# Altium PCB SI942C.PcbDoc (part 3 of 3)
Units mm, origin at the board's own origin, x right, y up, seen from the top; angles counter-clockwise.
Board outline 281.94 x 89 mm, 4 copper layers (Top, MidLayer1, MidLayer2, Bottom), stack 1.65 mm thick; 305 components, 164 nets, 851 pads, 594 vias.
Unrouted connection lines stored in the file: 4.
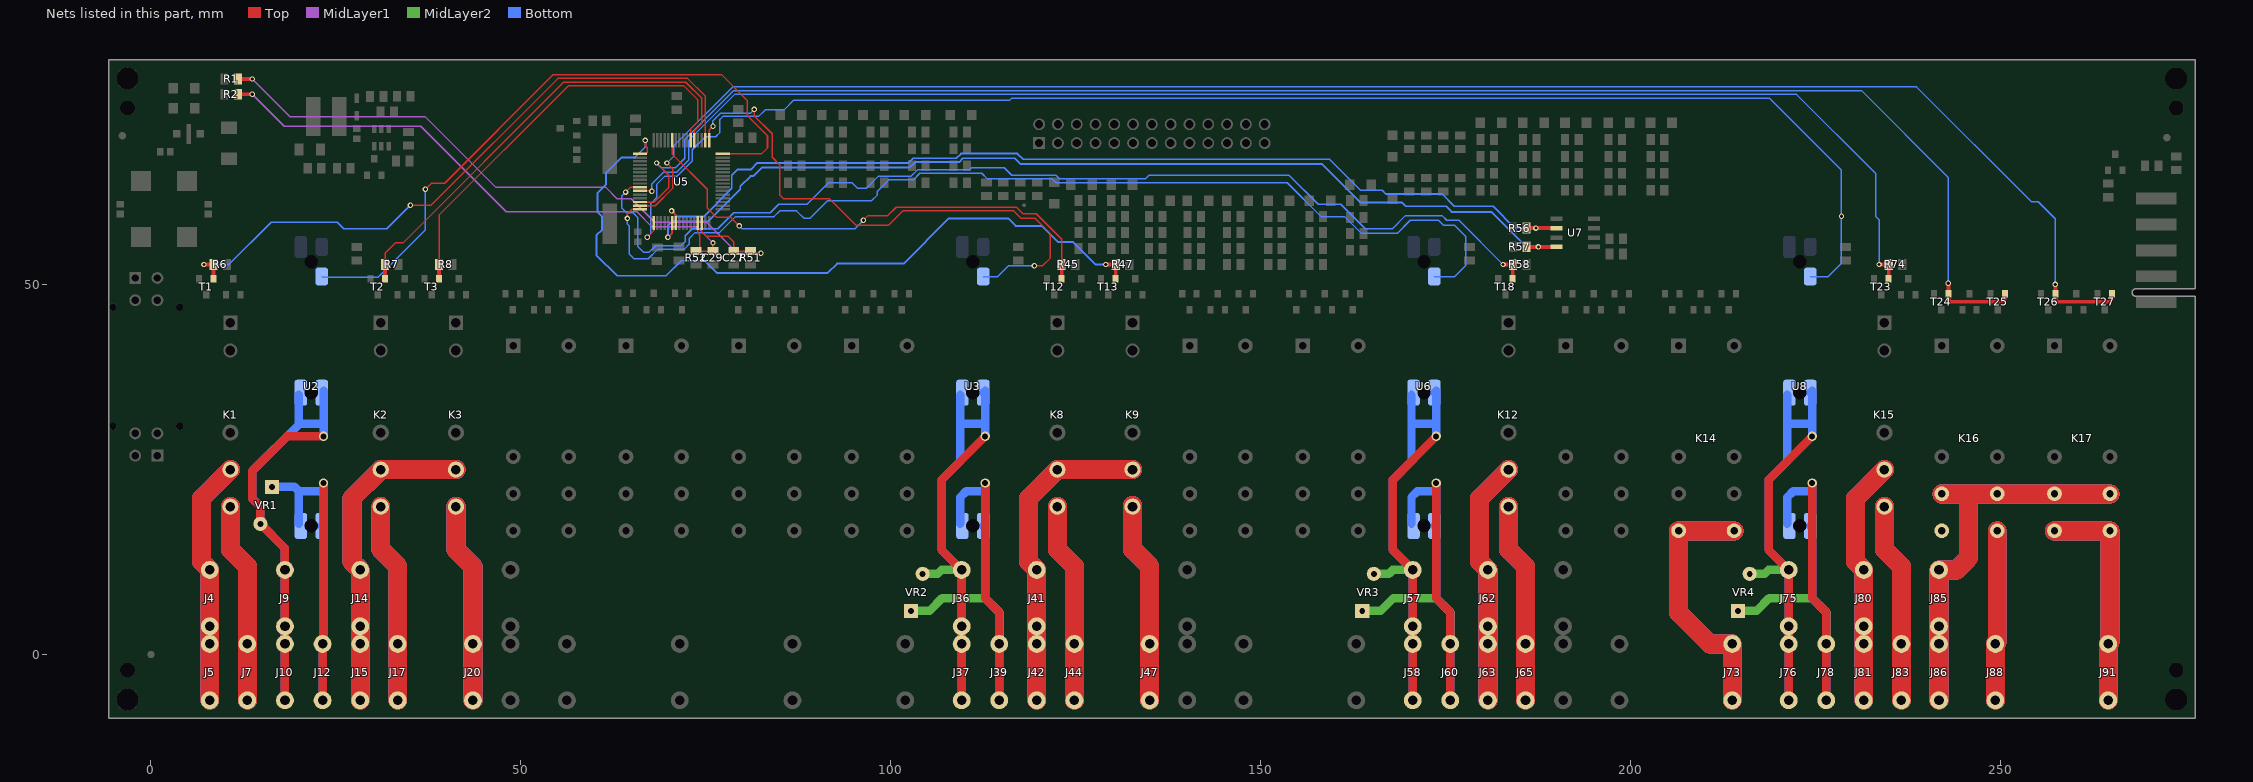
[diagram p5: the nets of this part, all layers, seen from the top]

## Via types
v1: diameter 0.737, hole 0.432, Top to Bottom, 581 vias
v2: diameter 1.27, hole 0.8, Top to Bottom, 10 vias
v3: diameter 1.524, hole 0.8, Top to Bottom, 3 vias

## Nets (pads, with @x,y where several pads share a name; then routed paths per layer and width w, separated by ;. In a path a pad name is that pad's centre, name@x,y a point inside that pad or via, vN(x,y) a via of type N, cw(c..) or ccw(c..) an arc to the next point about the centre after c; other vN are vias at no path point) (continued)
RB7NO: J73.1 J73.2 K14.14 K14.24 | length 140.5
  Top w2.54: J73.1@213.685,-6.19 J73.2@213.685,1.43 210.676,1.43 206.435,5.671 206.435,16.68 K14.24@213.935,16.68
  MidLayer1 w2.54: J73.1@213.685,-6.19 J73.2@213.685,1.43 210.676,1.43 206.435,5.671 206.435,16.68 K14.24@213.935,16.68
  MidLayer2 w2.54: J73.1@213.685,-6.19 J73.2@213.685,1.43 210.676,1.43 206.435,5.671 206.435,16.68 K14.24@213.935,16.68
  Bottom w2.54: J73.1@213.685,-6.19 J73.2@213.685,1.43 210.676,1.43 206.435,5.671 206.435,16.68 K14.24@213.935,16.68
RB8_UC: T24.1 T25.1 U5.46 | length 219.4
  Top w0.203: U5.46@66.065,61.148 68.006,61.148 69.977,63.119 69.977,64.77 v1(68.326,66.421)
  Top w0.508: v1(242.887,50.165) 242.91,50.143 T24.1@242.91,48.77 242.91,47.965 243.205,47.67 250.235,47.67 250.53,47.965 T25.1@250.53,48.77
  Bottom w0.203: v1(68.326,66.421) 68.961,65.786 70.866,65.786 72.136,67.056 72.136,69.596 78.74,76.2 231.14,76.2 242.887,64.453 v1(242.887,50.165)
RB8CO: J85.1 J85.2 J86.1 J86.2 K16.11 K16.21 K17.11 K17.21 | length 214.2
  Top w2.54: J86.1@241.625,-6.19 J86.2@241.625,1.43 J85.1@241.625,3.81 J85.2@241.625,11.43 243.999,11.43 245.586,13.018 245.586,21.59 ; K16.11@241.995,21.68 K17.21@264.735,21.68
  MidLayer1 w2.54: J86.1@241.625,-6.19 J86.2@241.625,1.43 J85.1@241.625,3.81 J85.2@241.625,11.43 243.999,11.43 245.586,13.018 245.586,21.59 ; K16.11@241.995,21.68 K17.21@264.735,21.68
  MidLayer2 w2.54: J86.1@241.625,-6.19 J86.2@241.625,1.43 J85.1@241.625,3.81 J85.2@241.625,11.43 243.999,11.43 245.586,13.018 245.586,21.59 ; K16.11@241.995,21.68 K17.21@264.735,21.68
  Bottom w2.54: J86.1@241.625,-6.19 J86.2@241.625,1.43 J85.1@241.625,3.81 J85.2@241.625,11.43 243.999,11.43 245.586,13.018 245.586,21.59 ; K16.11@241.995,21.68 K17.21@264.735,21.68
RB8NO: J88.1 J88.2 K16.14 K16.24 | length 91.9
  Top w2.54: J88.1@249.245,-6.19 J88.2@249.245,1.43 249.495,1.68 K16.24@249.495,16.68
  MidLayer1 w2.54: J88.1@249.245,-6.19 J88.2@249.245,1.43 249.495,1.68 K16.24@249.495,16.68
  MidLayer2 w2.54: J88.1@249.245,-6.19 J88.2@249.245,1.43 249.495,1.68 K16.24@249.495,16.68
  Bottom w2.54: J88.1@249.245,-6.19 J88.2@249.245,1.43 249.495,1.68 K16.24@249.495,16.68
RB9_UC: T26.1 T27.1 U5.47 | length 228.8
  Top w0.203: U5.47@66.065,60.648 68.141,60.648 70.485,62.992 70.485,65.659 v1(69.723,66.421)
  Top w0.508: v1(257.334,50.006) 257.356,49.984 T26.1@257.356,48.77 257.356,47.965 257.651,47.67 264.681,47.67 264.976,47.965 T27.1@264.976,48.77
  Bottom w0.203: v1(69.723,66.421) 70.612,67.31 70.612,68.707 78.613,76.708 238.603,76.708 254.127,61.184 255.046,61.184 257.334,58.896 v1(257.334,50.006)
RB9NO: J91.1 J91.2 K17.14 K17.24 | length 121.9
  Top w2.54: K17.14@257.235,16.68 264.735,16.68 264.735,1.68 J91.2@264.485,1.43 J91.1@264.485,-6.19
  MidLayer1 w2.54: K17.14@257.235,16.68 264.735,16.68 264.735,1.68 J91.2@264.485,1.43 J91.1@264.485,-6.19
  MidLayer2 w2.54: K17.14@257.235,16.68 264.735,16.68 264.735,1.68 J91.2@264.485,1.43 J91.1@264.485,-6.19
  Bottom w2.54: K17.14@257.235,16.68 264.735,16.68 264.735,1.68 J91.2@264.485,1.43 J91.1@264.485,-6.19
RBSENS1_UC: R56.1 U5.55 U7.2 | length 131.7
  Top w0.254: v1(70.358,59.944) 70.915,59.387 U5.55@70.915,58.298
  Top w0.508: R56.1@185.858,57.626 v1(187.147,57.626) U7.2@189.865,57.626
  Bottom w0.254: v1(70.358,59.944) 71.12,59.182 74.676,59.182 78.486,62.992 78.486,64.77 79.248,65.532 81.026,65.532 81.915,66.421 102.362,66.421 102.997,67.056 108.839,67.056 109.474,67.691 117.094,67.691 117.856,66.929 159.258,66.929 163.449,62.738 166.37,62.738 166.878,62.23 174.498,62.23 176.149,60.579 181.356,60.579 184.309,57.626 v1(187.147,57.626)
RBSENS2_UC: R57.1 U5.54 U7.4 | length 134.3
  Top w0.254: v1(69.85,56.388) 70.415,56.953 U5.54@70.415,58.298
  Top w0.508: R57.1@185.858,55.086 185.874,55.07 U7.4@189.928,55.07
  Bottom w0.254: v1(69.85,56.388) 69.85,57.912 70.485,58.547 75.311,58.547 79.629,62.865 79.629,63.246 81.026,64.643 81.407,64.643 82.55,65.786 102.489,65.786 103.251,66.548 109.22,66.548 109.728,67.056 116.713,67.056 117.475,66.294 158.188,66.294 163.395,61.087 169.037,61.087 169.545,60.579 175.006,60.579 175.768,59.817 181.102,59.817 185.833,55.086 v1(187.484,55.086)
RM0_UC: R6.2 T1.1 U5.18 | length 89.1
  Top w0.203: v1(35.052,60.706) 37.846,60.706 54.991,77.851 72.517,77.851 74.915,75.453 U5.18@74.915,69.498
  Top w0.508: v1(7.144,52.705) R6.2@8.452,52.705 T1.1@8.452,50.804
  Bottom w0.254: v1(7.144,52.705) 10.541,52.705 16.256,58.42 25.146,58.42 26.035,57.531 31.877,57.531 v1(35.052,60.706)
RM0CO: J4.1 J4.2 J5.1 J5.2 K1.11 | length 133
  Top w2.54: J5.1@7.945,-6.19 J5.2@7.945,1.43 J4.1@7.945,3.81 J4.2@7.945,11.43 6.826,12.549 6.826,21.081 K1.11@10.725,24.98
  MidLayer1 w2.54: J5.1@7.945,-6.19 J5.2@7.945,1.43 J4.1@7.945,3.81 J4.2@7.945,11.43 6.826,12.549 6.826,21.081 K1.11@10.725,24.98
  MidLayer2 w2.54: J5.1@7.945,-6.19 J5.2@7.945,1.43 J4.1@7.945,3.81 J4.2@7.945,11.43 6.826,12.549 6.826,21.081 K1.11@10.725,24.98
  Bottom w2.54: J5.1@7.945,-6.19 J5.2@7.945,1.43 J4.1@7.945,3.81 J4.2@7.945,11.43 6.826,12.549 6.826,21.081 K1.11@10.725,24.98
RM0NO: J7.1 J7.2 K1.14 | length 108.5
  Top w2.54: K1.14@10.725,19.98 10.725,14.199 13.025,11.899 J7.2@13.025,1.43 J7.1@13.025,-6.19
  MidLayer1 w2.54: K1.14@10.725,19.98 10.725,14.199 13.025,11.899 J7.2@13.025,1.43 J7.1@13.025,-6.19
  MidLayer2 w2.54: K1.14@10.725,19.98 10.725,14.199 13.025,11.899 J7.2@13.025,1.43 J7.1@13.025,-6.19
  Bottom w2.54: K1.14@10.725,19.98 10.725,14.199 13.025,11.899 J7.2@13.025,1.43 J7.1@13.025,-6.19
RM1_UC: R7.2 T2.1 U5.21 | length 62.8
  Top w0.203: R7.2@31.629,52.705 31.629,54.235 33.02,55.626 34.036,55.626 55.753,77.343 72.263,77.343 74.422,75.184 74.422,71.755 73.415,70.748 U5.21@73.415,69.498
  Top w0.508: T2.1@31.629,50.804 R7.2@31.629,52.705
RM1CO: J14.1 J14.2 J15.1 J15.2 K2.11 K3.11 | length 173.6
  Top w2.54: J15.1@28.265,-6.19 J15.2@28.265,1.43 J14.1@28.265,3.81 J14.2@28.265,11.43 27.146,12.549 27.146,21.081 K2.11@31.045,24.98 K3.11@41.205,24.98
  MidLayer1 w2.54: J15.1@28.265,-6.19 J15.2@28.265,1.43 J14.1@28.265,3.81 J14.2@28.265,11.43 27.146,12.549 27.146,21.081 K2.11@31.045,24.98 K3.11@41.205,24.98
  MidLayer2 w2.54: J15.1@28.265,-6.19 J15.2@28.265,1.43 J14.1@28.265,3.81 J14.2@28.265,11.43 27.146,12.549 27.146,21.081 K2.11@31.045,24.98 K3.11@41.205,24.98
  Bottom w2.54: J15.1@28.265,-6.19 J15.2@28.265,1.43 J14.1@28.265,3.81 J14.2@28.265,11.43 27.146,12.549 27.146,21.081 K2.11@31.045,24.98 K3.11@41.205,24.98
RM1NO: J17.1 J17.2 K2.14 | length 108.5
  Top w2.54: K2.14@31.045,19.98 31.045,14.199 33.345,11.899 J17.2@33.345,1.43 J17.1@33.345,-6.19
  MidLayer1 w2.54: K2.14@31.045,19.98 31.045,14.199 33.345,11.899 J17.2@33.345,1.43 J17.1@33.345,-6.19
  MidLayer2 w2.54: K2.14@31.045,19.98 31.045,14.199 33.345,11.899 J17.2@33.345,1.43 J17.1@33.345,-6.19
  Bottom w2.54: K2.14@31.045,19.98 31.045,14.199 33.345,11.899 J17.2@33.345,1.43 J17.1@33.345,-6.19
RM2_UC: R8.2 T3.1 U5.22 | length 57.4
  Top w0.203: R8.2@38.932,52.705 38.932,59.379 56.388,76.835 72.009,76.835 73.914,74.93 73.914,72.009 72.915,71.01 U5.22@72.915,69.498
  Top w0.508: T3.1@38.932,50.804 R8.2@38.932,52.705
RM2NO: J20.1 J20.2 K3.14 | length 108.5
  Top w2.54: K3.14@41.205,19.98 41.205,14.199 43.505,11.899 J20.2@43.505,1.43 J20.1@43.505,-6.19
  MidLayer1 w2.54: K3.14@41.205,19.98 41.205,14.199 43.505,11.899 J20.2@43.505,1.43 J20.1@43.505,-6.19
  MidLayer2 w2.54: K3.14@41.205,19.98 41.205,14.199 43.505,11.899 J20.2@43.505,1.43 J20.1@43.505,-6.19
  Bottom w2.54: K3.14@41.205,19.98 41.205,14.199 43.505,11.899 J20.2@43.505,1.43 J20.1@43.505,-6.19
RM3_UC: R45.2 T12.1 U5.27 | length 68.5
  Top w0.203: U5.27@70.415,69.498 70.415,67.634 75.184,62.865 75.184,60.325 76.454,59.055 78.359,59.055 v1(79.502,57.912) ; v1(96.266,58.674) 96.901,59.309 99.568,59.309 100.711,60.452 116.967,60.452 117.856,59.563 119.634,59.563 123.069,56.128 R45.2@123.069,52.705
  Top w0.508: T12.1@123.069,50.804 R45.2@123.069,52.705
  Bottom w0.203: v1(79.502,57.912) 79.883,57.531 95.123,57.531 v1(96.266,58.674)
RM3CO: J41.1 J41.2 J42.1 J42.2 K8.11 K9.11 | length 173.6
  Top w2.54: J42.1@119.705,-6.19 J42.2@119.705,1.43 J41.1@119.705,3.81 J41.2@119.705,11.43 118.586,12.549 118.586,21.081 K8.11@122.485,24.98 K9.11@132.645,24.98
  MidLayer1 w2.54: J42.1@119.705,-6.19 J42.2@119.705,1.43 J41.1@119.705,3.81 J41.2@119.705,11.43 118.586,12.549 118.586,21.081 K8.11@122.485,24.98 K9.11@132.645,24.98
  MidLayer2 w2.54: J42.1@119.705,-6.19 J42.2@119.705,1.43 J41.1@119.705,3.81 J41.2@119.705,11.43 118.586,12.549 118.586,21.081 K8.11@122.485,24.98 K9.11@132.645,24.98
  Bottom w2.54: J42.1@119.705,-6.19 J42.2@119.705,1.43 J41.1@119.705,3.81 J41.2@119.705,11.43 118.586,12.549 118.586,21.081 K8.11@122.485,24.98 K9.11@132.645,24.98
RM3NO: J44.1 J44.2 K8.14 | length 108.5
  Top w2.54: K8.14@122.485,19.98 122.485,14.199 124.785,11.899 J44.2@124.785,1.43 J44.1@124.785,-6.19
  MidLayer1 w2.54: K8.14@122.485,19.98 122.485,14.199 124.785,11.899 J44.2@124.785,1.43 J44.1@124.785,-6.19
  MidLayer2 w2.54: K8.14@122.485,19.98 122.485,14.199 124.785,11.899 J44.2@124.785,1.43 J44.1@124.785,-6.19
  Bottom w2.54: K8.14@122.485,19.98 122.485,14.199 124.785,11.899 J44.2@124.785,1.43 J44.1@124.785,-6.19
RM4_UC: R47.2 T13.1 U5.33 | length 103
  Top w0.254: U5.33@66.065,67.648 66.886,67.648 67.056,67.818 67.056,68.453 66.802,68.707 v1(66.802,69.469)
  Top w0.508: v1(129.032,52.705) R47.2@130.372,52.705 T13.1@130.372,50.804
  Bottom w0.254: v1(66.802,69.469) 66.802,68.58 65.405,67.183 63.627,67.183 61.468,65.024 61.468,63.5 60.325,62.357 60.325,59.817 60.96,59.182 60.96,57.404 60.198,56.642 60.198,53.975 62.992,51.181 69.596,51.181 71.628,53.213 74.803,53.213 76.454,51.562 91.44,51.562 92.71,52.832 101.727,52.832 107.823,58.928 115.824,58.928 116.84,57.912 120.396,57.912 122.555,55.753 124.587,55.753 127.635,52.705 v1(129.032,52.705)
RM4NO: J47.1 J47.2 K9.14 | length 109.1
  Top w2.54: K9.14@132.645,20.13 132.645,14.199 134.945,11.899 J47.2@134.945,1.43 J47.1@134.945,-6.19
  MidLayer1 w2.54: K9.14@132.645,20.13 132.645,14.199 134.945,11.899 J47.2@134.945,1.43 J47.1@134.945,-6.19
  MidLayer2 w2.54: K9.14@132.645,20.13 132.645,14.199 134.945,11.899 J47.2@134.945,1.43 J47.1@134.945,-6.19
  Bottom w2.54: K9.14@132.645,20.13 132.645,14.199 134.945,11.899 J47.2@134.945,1.43 J47.1@134.945,-6.19
RM5_UC: R58.2 T18.1 U5.42 | length 144.8
  Top w0.203: v1(64.135,62.484) 64.799,63.148 U5.42@66.065,63.148
  Top w0.508: v1(182.721,52.705) R58.2@184.029,52.705 T18.1@184.029,50.804
  Bottom w0.203: v1(64.135,62.484) 63.627,61.976 63.627,60.325 64.262,59.69 65.151,59.69 65.786,59.055 65.786,55.118 66.548,54.356 67.31,54.356 68.199,55.245 71.628,55.245 72.2,55.816 72.2,56.578 73.152,57.531 76.581,57.531 78.74,59.69 83.693,59.69 84.836,60.833 88.646,60.833 91.567,63.754 94.742,63.754 95.504,62.992 96.647,62.992 98.298,64.643 102.743,64.643 103.632,65.532 110.617,65.532 110.871,65.786 115.316,65.786 116.332,64.77 122.301,64.77 122.809,64.262 134.366,64.262 134.874,64.77 153.797,64.77 157.734,60.833 160.782,60.833 164.084,57.531 167.767,57.531 169.545,59.309 174.466,59.309 175.101,58.674 176.752,58.674 v1(182.721,52.705)
RM5CO: J62.1 J62.2 J63.1 J63.2 K12.11 | length 133
  Top w2.54: J63.1@180.665,-6.19 J63.2@180.665,1.43 J62.1@180.665,3.81 J62.2@180.665,11.43 179.546,12.549 179.546,21.081 K12.11@183.445,24.98
  MidLayer1 w2.54: J63.1@180.665,-6.19 J63.2@180.665,1.43 J62.1@180.665,3.81 J62.2@180.665,11.43 179.546,12.549 179.546,21.081 K12.11@183.445,24.98
  MidLayer2 w2.54: J63.1@180.665,-6.19 J63.2@180.665,1.43 J62.1@180.665,3.81 J62.2@180.665,11.43 179.546,12.549 179.546,21.081 K12.11@183.445,24.98
  Bottom w2.54: J63.1@180.665,-6.19 J63.2@180.665,1.43 J62.1@180.665,3.81 J62.2@180.665,11.43 179.546,12.549 179.546,21.081 K12.11@183.445,24.98
RM5NO: J65.1 J65.2 K12.14 | length 108.5
  Top w2.54: K12.14@183.445,19.98 183.445,14.199 185.745,11.899 J65.2@185.745,1.43 J65.1@185.745,-6.19
  MidLayer1 w2.54: K12.14@183.445,19.98 183.445,14.199 185.745,11.899 J65.2@185.745,1.43 J65.1@185.745,-6.19
  MidLayer2 w2.54: K12.14@183.445,19.98 183.445,14.199 185.745,11.899 J65.2@185.745,1.43 J65.1@185.745,-6.19
  Bottom w2.54: K12.14@183.445,19.98 183.445,14.199 185.745,11.899 J65.2@185.745,1.43 J65.1@185.745,-6.19
RM6_UC: R74.2 T23.1 U5.43 | length 194.7
  Top w0.203: U5.43@66.065,62.648 67.654,62.648 v1(67.691,62.611)
  Top w0.508: v1(233.521,52.705) R74.2@234.829,52.705 T23.1@234.829,50.804
  Bottom w0.203: v1(67.691,62.611) 67.691,63.627 69.215,65.151 70.993,65.151 72.644,66.802 72.644,69.469 78.867,75.692 222.377,75.692 233.045,65.024 233.045,59.214 233.521,58.737 v1(233.521,52.705)
RM6CO: J80.1 J80.2 J81.1 J81.2 K15.11 | length 133
  Top w2.54: J81.1@231.465,-6.19 J81.2@231.465,1.43 J80.1@231.465,3.81 J80.2@231.465,11.43 230.346,12.549 230.346,21.081 K15.11@234.245,24.98
  MidLayer1 w2.54: J81.1@231.465,-6.19 J81.2@231.465,1.43 J80.1@231.465,3.81 J80.2@231.465,11.43 230.346,12.549 230.346,21.081 K15.11@234.245,24.98
  MidLayer2 w2.54: J81.1@231.465,-6.19 J81.2@231.465,1.43 J80.1@231.465,3.81 J80.2@231.465,11.43 230.346,12.549 230.346,21.081 K15.11@234.245,24.98
  Bottom w2.54: J81.1@231.465,-6.19 J81.2@231.465,1.43 J80.1@231.465,3.81 J80.2@231.465,11.43 230.346,12.549 230.346,21.081 K15.11@234.245,24.98
RM6NO: J83.1 J83.2 K15.14 | length 108.5
  Top w2.54: K15.14@234.245,19.98 234.245,14.199 236.545,11.899 J83.2@236.545,1.43 J83.1@236.545,-6.19
  MidLayer1 w2.54: K15.14@234.245,19.98 234.245,14.199 236.545,11.899 J83.2@236.545,1.43 J83.1@236.545,-6.19
  MidLayer2 w2.54: K15.14@234.245,19.98 234.245,14.199 236.545,11.899 J83.2@236.545,1.43 J83.1@236.545,-6.19
  Bottom w2.54: K15.14@234.245,19.98 234.245,14.199 236.545,11.899 J83.2@236.545,1.43 J83.1@236.545,-6.19
RV0_UC: U2.2UC U5.16 | length 87.5
  Top w0.203: v1(37.084,62.865) 37.91,63.691 39.688,63.691 54.356,78.359 77.089,78.359 80.581,74.867 80.581,72.834 83.312,70.104 83.312,68.453 82.507,67.648 U5.16@77.265,67.648
  Bottom w0.203: U2.2UC@23.07,51.08 23.191,50.959 30.639,50.959 37.084,57.404 v1(37.084,62.865)
RV0IN: J9.1 J9.2 J10.1 J10.2 U2.1TR U2.2TR VR1.2 | length 99.7
  Top w1.143: J10.1@18.105,-6.19 J10.2@18.105,1.43 J9.1@18.105,3.81 J9.2@18.105,11.43 18.105,14.334 VR1.2@14.777,17.661 14.777,19.989 13.652,21.114 13.652,24.765 18.363,29.476 v2(23.316,29.476)
  Bottom w1.143: J10.1@18.105,-6.19 J10.2@18.105,1.43 J9.1@18.105,3.81 J9.2@18.105,11.43 18.105,14.334 VR1.2@14.777,17.661 14.777,19.989 13.652,21.114 13.652,24.765 19.982,31.095 19.982,31.17 ; U2.2TR@19.982,35.102 19.982,31.17 ; v2(23.316,29.476) 23.316,31.17 ; U2.1TR@23.316,35.626 23.316,31.17 ; 19.982,31.17 23.316,31.17
RV0OUT: J12.1 J12.2 U2.3TR U2.4TR VR1.1 | length 70.8
  Top w1.143: J12.1@23.185,-6.19 J12.2@23.185,1.43 23.316,1.561 v2(23.316,23.177)
  Bottom w1.143: VR1.1@16.338,22.661 19.387,22.661 19.982,22.066 ; U2.4TR@19.982,17.658 19.982,22.066 ; U2.3TR@23.07,17.38 U2.3TR@23.316,17.134 ; J12.1@23.185,-6.19 J12.2@23.185,1.43 23.316,1.561 U2.3TR@23.316,17.134 ; v2(23.316,23.177) 23.316,22.066 ; 19.982,22.066 23.316,22.066 ; U2.3TR@23.316,17.134 23.316,22.066
RV1_UC: U3.2UC U5.17 | length 75.8
  Top w0.203: U5.17@75.415,69.498 75.415,70.843 v1(75.946,71.374) ; v1(81.534,73.66) 81.534,72.771 83.947,70.358 83.947,67.183 84.963,66.167 84.963,62.103 85.471,61.595 91.694,61.595 95.25,58.039 99.695,58.039 101.6,59.944 116.586,59.944 117.602,58.928 119.507,58.928 121.539,56.896 121.539,53.594 120.491,52.546 v1(119.38,52.546)
  Bottom w0.203: v1(75.946,71.374) 75.946,72.136 76.962,73.152 81.026,73.152 v1(81.534,73.66) ; U3.2UC@112.467,51.08 114.421,51.08 115.887,52.546 v1(119.38,52.546)
RV1IN: J36.1 J36.2 J37.1 J37.2 U3.1TR U3.2TR VR2.2 | length 105.6
  Top w1.143: J37.1@109.545,-6.19 J37.2@109.545,1.43 J36.1@109.545,3.81 ; v2(112.712,29.476) 106.839,23.602 106.839,14.136 J36.2@109.545,11.43 ; J36.2@109.541,11.426 J36.2@109.545,11.43 ; J36.2@109.541,11.426 109.537,11.422 109.537,3.818 J36.1@109.545,3.81 ; J36.2@109.541,11.426 J36.2@109.545,11.422 ; J36.2@109.541,11.426 109.537,11.43 J36.2@109.545,11.43 ; J36.1@109.545,3.81 J36.2@109.545,11.422 ; J36.2@109.545,11.422 J36.2@109.545,11.43
  MidLayer2 w1.143: VR2.2@104.285,10.898 106.307,10.898 106.839,11.43 J36.2@109.545,11.43
  Bottom w1.143: U3.2TR@109.379,35.102 109.379,31.17 ; J37.1@109.545,-6.19 J37.2@109.545,1.43 J36.1@109.545,3.81 J36.2@109.545,11.43 106.839,14.136 106.839,23.602 109.379,26.142 109.379,31.17 ; U3.1TR@112.467,35.38 112.712,35.626 112.712,31.17 ; v2(112.712,29.476) 112.712,31.17 ; 109.379,31.17 112.712,31.17
RV1OUT: J39.1 J39.2 U3.3TR U3.4TR VR2.1 | length 85.5
  Top w1.143: v2(112.712,23.177) 112.712,7.62 114.625,5.707 J39.2@114.625,1.55 ; J39.1@114.625,-6.19 J39.2@114.625,1.43
  MidLayer2 w1.143: VR2.1@102.725,5.898 105.206,5.898 106.928,7.62 112.712,7.62 114.625,5.707 J39.2@114.625,1.43
  Bottom w1.143: U3.4TR@109.379,17.658 109.379,21.273 110.172,22.066 112.712,22.066 ; U3.3TR@112.467,17.38 U3.3TR@112.712,17.134 ; v2(112.712,23.177) 112.712,22.066 ; J39.1@114.625,-6.19 J39.2@114.625,1.43 114.625,5.707 112.712,7.62 U3.3TR@112.712,17.134 ; U3.3TR@112.712,17.134 112.712,22.066
RV2_UC: U5.48 U6.2UC | length 140.9
  Top w0.203: v1(64.389,58.928) 64.389,59.563 64.974,60.148 U5.48@66.065,60.148
  Bottom w0.203: v1(64.389,58.928) 64.389,58.166 64.643,57.912 64.643,54.102 65.278,53.467 67.183,53.467 68.453,54.737 72.009,54.737 72.771,55.499 72.771,56.261 73.533,57.023 76.835,57.023 78.994,59.182 84.201,59.182 84.963,59.944 87.249,59.944 88.265,58.928 89.027,58.928 91.44,61.341 97.409,61.341 98.171,62.103 98.171,62.611 99.695,64.135 102.997,64.135 103.886,65.024 112.268,65.024 113.03,64.262 121.793,64.262 122.301,63.754 153.543,63.754 158.115,59.182 161.29,59.182 163.576,56.896 168.402,56.896 170.18,58.674 173.99,58.674 174.625,58.039 176.117,58.039 177.641,56.515 177.641,52.546 176.175,51.08 U6.2UC@173.427,51.08
RV2IN: J57.1 J57.2 J58.1 J58.2 U6.1TR U6.2TR VR3.2 | length 105.6
  Top w1.143: J58.1@170.505,-6.19 J58.2@170.505,1.43 J57.1@170.505,3.81 ; v2(173.672,29.476) 167.799,23.602 167.799,14.136 J57.2@170.505,11.43 ; J57.2@170.501,11.426 J57.2@170.505,11.43 ; J57.2@170.501,11.426 170.497,11.422 170.497,3.818 J57.1@170.505,3.81 ; J57.2@170.501,11.426 J57.2@170.505,11.422 ; J57.2@170.501,11.426 170.497,11.43 J57.2@170.505,11.43 ; J57.1@170.505,3.81 J57.2@170.505,11.422 ; J57.2@170.505,11.422 J57.2@170.505,11.43
  MidLayer2 w1.143: VR3.2@165.245,10.898 167.267,10.898 167.799,11.43 J57.2@170.505,11.43
  Bottom w1.143: U6.2TR@170.339,35.102 170.339,31.17 ; J58.1@170.505,-6.19 J58.2@170.505,1.43 J57.1@170.505,3.81 J57.2@170.505,11.43 167.799,14.136 167.799,23.602 170.339,26.142 170.339,31.17 ; U6.1TR@173.427,35.38 173.672,35.626 173.672,31.17 ; v2(173.672,29.476) 173.672,31.17 ; 170.339,31.17 173.672,31.17
RV2OUT: J60.1 J60.2 U6.3TR U6.4TR VR3.1 | length 85.5
  Top w1.143: v2(173.672,23.177) 173.672,7.62 175.585,5.707 J60.2@175.585,1.55 ; J60.1@175.585,-6.19 J60.2@175.585,1.43
  MidLayer2 w1.143: VR3.1@163.685,5.898 166.166,5.898 167.888,7.62 173.672,7.62 175.585,5.707 J60.2@175.585,1.43
  Bottom w1.143: U6.4TR@170.339,17.658 170.339,21.273 171.132,22.066 173.672,22.066 ; U6.3TR@173.427,17.38 U6.3TR@173.672,17.134 ; v2(173.672,23.177) 173.672,22.066 ; J60.1@175.585,-6.19 J60.2@175.585,1.43 175.585,5.707 173.672,7.62 U6.3TR@173.672,17.134 ; U6.3TR@173.672,17.134 173.672,22.066
RV3_UC: U5.49 U8.2UC | length 198.4
  Top w0.203: v1(67.056,56.388) 67.915,57.247 U5.49@67.915,58.298
  Bottom w0.203: v1(67.056,56.388) 67.564,56.896 67.564,60.96 68.326,61.722 68.326,63.5 69.469,64.643 71.12,64.643 73.152,66.675 73.152,68.199 74.93,69.977 76.327,69.977 76.835,70.485 76.835,72.263 77.279,72.707 82.105,72.707 82.995,73.596 85.534,73.596 86.868,74.93 116.078,74.93 116.332,75.184 218.694,75.184 228.448,65.43 v1(228.448,59.233) ; U8.2UC@224.227,51.08 226.658,51.08 228.441,52.864 v1@228.441,59.233
RV3IN: J75.1 J75.2 J76.1 J76.2 U8.1TR U8.2TR VR4.2 | length 105.6
  Top w1.143: J76.1@221.305,-6.19 J76.2@221.305,1.43 J75.1@221.305,3.81 ; v2(224.472,29.476) 218.599,23.602 218.599,14.136 J75.2@221.305,11.43 ; J75.2@221.301,11.426 J75.2@221.305,11.43 ; J75.2@221.301,11.426 221.297,11.422 221.297,3.818 J75.1@221.305,3.81 ; J75.2@221.301,11.426 J75.2@221.305,11.422 ; J75.2@221.301,11.426 221.297,11.43 J75.2@221.305,11.43 ; J75.1@221.305,3.81 J75.2@221.305,11.422 ; J75.2@221.305,11.422 J75.2@221.305,11.43
  MidLayer2 w1.143: VR4.2@216.045,10.898 218.067,10.898 218.599,11.43 J75.2@221.305,11.43
  Bottom w1.143: U8.2TR@221.139,35.102 221.139,31.17 ; J76.1@221.305,-6.19 J76.2@221.305,1.43 J75.1@221.305,3.81 J75.2@221.305,11.43 218.599,14.136 218.599,23.602 221.139,26.142 221.139,31.17 ; U8.1TR@224.227,35.38 224.472,35.626 224.472,31.17 ; v2(224.472,29.476) 224.472,31.17 ; 221.139,31.17 224.472,31.17
RV3OUT: J78.1 J78.2 U8.3TR U8.4TR VR4.1 | length 85.5
  Top w1.143: v2(224.472,23.177) 224.472,7.62 226.385,5.707 J78.2@226.385,1.55 ; J78.1@226.385,-6.19 J78.2@226.385,1.43
  MidLayer2 w1.143: VR4.1@214.485,5.898 216.966,5.898 218.688,7.62 224.472,7.62 226.385,5.707 J78.2@226.385,1.43
  Bottom w1.143: U8.4TR@221.139,17.658 221.139,21.273 221.933,22.066 224.472,22.066 ; U8.3TR@224.227,17.38 U8.3TR@224.472,17.134 ; v2(224.472,23.177) 224.472,22.066 ; J78.1@226.385,-6.19 J78.2@226.385,1.43 226.385,5.707 224.472,7.62 U8.3TR@224.472,17.134 ; U8.3TR@224.472,17.134 224.472,22.066
SCL: C29.2 R2.1 R52.1 U5.61 | length 80
  Top w0.203: U5.61@73.915,58.298 73.915,56.895 74.168,56.642 74.168,55.016 R52.1@73.66,54.508 C29.2@75.946,54.508 v1(75.946,55.626)
  Top w0.508: R2.1@11.741,75.708 v1(13.684,75.708)
  MidLayer1 w0.203: v1(13.684,75.708) 18.018,71.374 36.449,71.374 48.006,59.817 65.659,59.817 67.691,57.785 73.787,57.785 v1(75.946,55.626)
SDA: C27.2 R1.1 R51.1 U5.62 | length 91.5
  Top w0.203: U5.62@74.415,58.298 74.415,57.157 75.057,56.515 77.978,56.515 78.74,55.753 C27.2@78.74,54.508 80.518,54.508 80.797,54.229 v1(82.423,54.229)
  Top w0.508: R1.1@11.741,77.772 v1(13.684,77.772)
  MidLayer1 w0.203: v1(13.684,77.772) 18.812,72.644 37.084,72.644 46.609,63.119 61.468,63.119 62.992,61.595 64.897,61.595 68.072,58.42 75.057,58.42 79.248,54.229 v1(82.423,54.229)
pads on no net: D4.2 J1.FIX1 J1.FIX2 J2.FIX1 J2.FIX2 K1.12 K2.12 K3.12 K8.12 K9.12 K12.12 K15.12 MIR1.1 MIR2.1 MIR3.1 U2.1 U2.3 U2.4 U3.1 U3.3 U3.4 U5.28 U5.35 U6.1 U6.3 U6.4 U7.1 U7.8 U8.1 U8.3 U8.4
copper on no net: | length 185.6
  Top w0.254: 271.939,9.887 275.272,9.887 275.272,7.385 ; 275.272,9.366 275.272,12.383 275.266,12.389 271.939,12.389 271.939,4.883 ; 271.939,4.883 275.272,4.883 ; 271.939,4.883 275.272,4.883 ; 271.939,4.883 271.939,2.381 275.272,2.381 275.272,4.883 ; 275.272,4.883 275.272,7.385 ; 275.272,7.385 271.939,7.385 275.272,7.385
  Top w0.508: -1.27,-1.27 -1.27,1.27 1.27,1.27 1.27,-1.27 -1.27,-1.27
  MidLayer1 w0.254: 271.939,9.887 275.272,9.887 275.272,7.385 ; 275.272,9.366 275.272,12.383 275.266,12.389 271.939,12.389 271.939,4.883 ; 271.939,4.883 275.272,4.883 ; 271.939,4.883 275.272,4.883 ; 271.939,4.883 271.939,2.381 275.272,2.381 275.272,4.883 ; 275.272,4.883 275.272,7.385 ; 275.272,7.385 271.939,7.385 275.272,7.385
  MidLayer2 w0.254: 271.939,9.887 275.272,9.887 275.272,7.385 ; 275.272,9.366 275.272,12.383 275.266,12.389 271.939,12.389 271.939,4.883 ; 271.939,4.883 275.272,4.883 ; 271.939,4.883 275.272,4.883 ; 271.939,4.883 271.939,2.381 275.272,2.381 275.272,4.883 ; 275.272,4.883 275.272,7.385 ; 275.272,7.385 271.939,7.385 275.272,7.385
  Bottom w0.254: 271.939,9.887 275.272,9.887 275.272,7.385 ; 275.272,9.366 275.272,12.383 275.266,12.389 271.939,12.389 271.939,4.883 ; 271.939,4.883 271.939,2.381 275.272,2.381 275.272,4.883 ; 271.939,4.883 275.272,4.883 ; 271.939,4.883 275.272,4.883 ; 275.272,4.883 275.272,7.385 ; 275.272,7.385 271.939,7.385 275.272,7.385

## Polygon pours and split planes (outlines as drawn)
GND on Top "Top_GND" (solid, remove dead copper, pour order 17): -6.35,82.689 288.918,82.689 288.925,37.941 6.191,37.782 5.842,37.782 5.842,62.611 -6.35,62.611
GND on MidLayer1 "Top_GND" (solid, remove dead copper, pour order 19): -6.35,82.689 288.918,82.689 288.925,37.941 6.191,37.782 5.842,37.782 5.842,52.959 9.398,56.134 9.398,62.611 -6.35,62.611
+12V on MidLayer2 "+12V_L03_P025" (solid, remove dead copper, pour order 25): 34.417,79.121 13.081,79.121 5.334,71.374 5.334,67.437 15.875,67.437 16.002,67.31 16.002,71.247 16.002,71.501 18.923,74.422 19.05,74.549 34.417,74.549
+12V on MidLayer2 "Mid2_+12V" (solid, remove dead copper, pour order 23): 1.587,37.846 1.587,67.627 5.461,71.501 269.367,71.501 271.621,69.247 271.621,41.275 268.192,37.846
+5V on MidLayer2 "Mid2_+5V" (solid, remove dead copper, pour order 21): 28.099,62.865 17.145,62.865 16.383,63.627 16.383,74.676 258.858,74.676 265.589,67.945 265.589,59.809 265.215,59.436 261.874,59.436 256.54,64.77 137.287,64.77 97.535,64.769 83.693,50.927 68.199,50.927 54.674,64.453 29.686,64.453
GND on Bottom "Top_GND" (solid, remove dead copper, pour order 27): -6.35,82.689 288.918,82.689 288.925,37.941 6.191,37.782 5.842,37.782 5.842,52.995 9.398,56.134 9.398,62.611 -6.35,62.611

## Keep-outs
Board:
  the board outline again, w0.254

## Other copper
Top:
  rectangle net GND: -2.667,62.738 0,66.04
  pour cut-out: 4.969,52.179 6.9,53.904 8.865,55.658 9.398,56.134 9.398,63.754 7.874,65.278 5.08,65.278
  pour cut-out: -6.477,65.659 -1.484,65.659 -1.484,62.611 -6.477,62.611
  region net +VBUS: 6.985,59.944 8.382,59.944 8.382,56.769 7.239,55.626 4.064,55.626 4.064,57.15 6.731,57.15 6.985,57.404
  region net GND: -3.429,60.452 -4.826,60.452 -4.826,63.627 -3.683,64.77 -0.508,64.77 -0.508,63.246 -3.175,63.246 -3.429,62.992
  region net +VIN: 6.985,60.452 8.382,60.452 8.382,63.627 7.239,64.77 4.064,64.77 4.064,63.246 6.731,63.246 6.985,62.992
  region net GNDBUS: -3.429,59.944 -4.826,59.944 -4.826,56.769 -3.683,55.626 -0.508,55.626 -0.508,57.15 -3.175,57.15 -3.429,57.404
  pour cut-out: -0.635,80.38 -5.715,80.38 -5.715,71.755 -0.635,71.755
  pour cut-out: 276.225,80.38 271.145,80.38 271.145,71.755 276.225,71.755
  pour cut-out: -0.635,80.38 -5.715,80.38 -5.715,71.755 -0.635,71.755
  pour cut-out: 276.225,80.38 271.145,80.38 271.145,71.755 276.225,71.755
  pour cut-out: 4.604,37.941 278.289,37.941 278.289,-9.366 -9.366,-9.366 -9.366,24.765 0.318,24.765 3.016,27.464 3.016,32.385 4.604,33.972
  text "1" at 274.637,3.296 h2.03 r90
MidLayer1:
  pour cut-out: 5.842,37.846 5.842,52.959 9.398,56.134 9.398,62.611 1.587,62.611 1.587,37.846
  pour cut-out: -0.635,80.38 -5.715,80.38 -5.715,71.755 -0.635,71.755
  pour cut-out: 276.225,80.38 271.145,80.38 271.145,71.755 276.225,71.755
  pour cut-out: -0.635,80.38 -5.715,80.38 -5.715,71.755 -0.635,71.755
  pour cut-out: 276.225,80.38 271.145,80.38 271.145,71.755 276.225,71.755
  pour cut-out: 5.302,37.941 278.289,37.941 278.289,-9.366 -9.366,-9.366 -9.366,24.765 0.318,24.765 3.016,27.464 3.016,32.385 4.604,33.972 4.604,37.243
  text "2" at 274.637,5.397 h2.03 r90
MidLayer2:
  pour cut-out: 5.842,37.846 5.842,52.959 9.398,56.134 9.398,62.611 1.587,62.611 1.587,37.846
  pour cut-out: -0.635,80.38 -5.715,80.38 -5.715,71.755 -0.635,71.755
  pour cut-out: 276.225,80.38 271.145,80.38 271.145,71.755 276.225,71.755
  pour cut-out: -0.635,80.38 -5.715,80.38 -5.715,71.755 -0.635,71.755
  pour cut-out: 276.225,80.38 271.145,80.38 271.145,71.755 276.225,71.755
  pour cut-out: 6.191,37.941 278.289,37.941 278.289,-9.366 -9.366,-9.366 -9.366,24.765 0.318,24.765 3.016,27.464 3.016,32.385 4.604,33.972 4.604,36.354
  text "3" at 274.637,9.366 h2.03 r90
Bottom:
  pour cut-out: 5.842,37.846 5.842,52.959 9.398,56.134 9.398,62.611 1.587,62.611 1.587,37.846
  pour cut-out: -0.635,80.38 -5.715,80.38 -5.715,71.755 -0.635,71.755
  pour cut-out: 276.225,80.38 271.145,80.38 271.145,71.755 276.225,71.755
  pour cut-out: -0.635,80.38 -5.715,80.38 -5.715,71.755 -0.635,71.755
  pour cut-out: 276.225,80.38 271.145,80.38 271.145,71.755 276.225,71.755
  pour cut-out: 4.604,37.941 278.289,37.941 278.289,-9.366 -9.366,-9.366 -9.366,24.765 0.318,24.765 3.016,27.464 3.016,32.385 4.604,33.972
  text "4" at 274.637,11.906 h2.03 r90

## Silkscreen, mask and mechanical layers (free items; w line width, h text height)
Top Silk:
  rectangle: 37.465,-7.747 40.005,2.515
  rectangle: 128.905,-7.747 131.445,2.515
Bot Mask:
  drawing of 230 lines, arcs and shapes, not listed
Cartouche TOP (Mec3):
  lines w0.127: -64.61,-123.927 -64.61,158.013 ; 174.15,-118.847 209.71,-118.847 324.01,-118.847
  lines w0.254: -64.61,-123.927 329.09,-123.927 329.09,158.013 -64.61,158.013 ; -64.61,-53.442 -59.53,-53.442 ; -64.61,17.043 -59.53,17.043 ; -64.61,87.528 -59.53,87.528 ; -15.334,-123.927 -15.334,-118.847 ; -15.334,152.933 -15.334,158.013 ; 33.815,-123.927 33.815,-118.847 ; 33.815,152.933 33.815,158.013 ; 82.964,-123.927 82.964,-118.847 ; 82.964,152.933 82.964,158.013 ; 132.24,-123.927 132.24,-118.847 ; 132.24,152.933 132.24,158.013 ; 181.389,-123.927 181.389,-118.847 ; 181.389,152.933 181.389,158.013 ; 181.77,-116.307 236.38,-116.307 ; 181.77,-113.132 236.38,-113.132 262.415,-113.132 324.01,-113.132 ; 181.77,-109.957 236.38,-109.957 ; 181.77,-106.782 236.38,-106.782 ; 181.77,-103.607 236.38,-103.607 ; 181.77,-100.432 236.38,-100.432 ; 181.77,-97.257 236.38,-97.257 ; 190.66,-118.847 190.66,-94.082 ; 202.09,-118.847 202.09,-94.082 ; 228.76,-118.847 228.76,-94.082 ; 230.538,-123.927 230.538,-118.847 ; 230.538,152.933 230.538,158.013 ; 236.38,-118.847 236.38,-94.082 ; 236.38,-104.877 312.202,-104.877 312.202,-94.145 ; 262.415,-118.847 262.415,-94.082 ; 262.415,-109.322 299.88,-109.322 ; 279.814,-123.927 279.814,-118.847 ; 279.814,152.933 279.814,158.013 ; 299.88,-113.132 299.88,-104.877 ; 312.202,-101.384 324.01,-101.384 ; 314.104,-104.877 320.073,-104.877 ; 324.01,-53.442 329.09,-53.442 ; 324.01,17.043 329.09,17.043 ; 324.01,87.528 329.09,87.528 ; 324.01,-118.847 324.01,152.933 -59.53,152.933 -59.53,-118.847 324.01,-118.847 ; 324.01,-118.847 324.01,-94.082 181.77,-94.082 181.77,-118.847 324.01,-118.847
  text "1" at -40.573,154.584 h1.78
  text "2" at 8.466,154.584 h1.78
  text "3" at 57.725,154.584 h1.78
  text "4" at 107.018,154.584 h1.78
  text "5" at 156.294,154.584 h1.78
  text "6" at 205.316,154.584 h1.78
  text "7" at 254.846,154.584 h1.78
  text "8" at 303.868,154.584 h1.78
  text "A" at -62.705,120.599 h1.78
  text "A" at 325.915,120.599 h1.78
  text "B" at -62.705,49.987 h1.78
  text "B" at 325.915,49.987 h1.78
  text "C" at -62.705,-20.625 h1.78
  text "C" at 325.915,-20.625 h1.78
  text "D" at -62.705,-90.729 h1.78
  text "D" at 325.915,-90.729 h1.78
  text "Sheet Size" at 312.58,-96.304 h2.54
  text "Circuit Imprimé pour carte" at 264.002,-98.527 h3.3
  text ".refSC" at 298.61,-98.527 h3.3
  text ".siSheetSize" at 316.517,-99.924 h3.56
  text "Printed Circuit Board for" at 267.495,-102.337 h3.05
  text ".refSC" at 297.34,-102.337 h3.05
  text "Print:" at 314.167,-104.242 h3.05
  text "View:" at 263.685,-108.052 h2.54
  text ".Printout_Name" at 269.717,-108.052 h2.54
  text "DATE:" at 301.15,-108.052 h3.05
  text ".Print_Date" at 309.786,-108.052 h3.05
  text ".refSI1" at 237.967,-111.227 h7.62
  text ".Print_Scale" at 301.15,-111.862 h3.05
  text "File:" at 264.002,-112.179 h2.54
  text ".Pcb_File_Name_No_Path" at 268.765,-112.179 h2.54
  text "a" at 185.58,-115.418 h3.05
  text "CVO" at 229.425,-115.665 h3.05
  text "16/10/16" at 191.295,-115.672 h3.05
  text "Création" at 202.979,-115.672 h3.05
  text "EDA: Altium Designer" at 237.65,-115.672 h2.54
  text "build" at 237.65,-117.958 h2.54
  text ".Application_BuildNumber" at 243.492,-117.958 h2.54
  text "Ind. Min" at 182.532,-118.339 h2.54
  text "Doc Date" at 191.93,-118.339 h2.54
  text "Objet" at 202.852,-118.339 h2.54
  text "Nom" at 230.03,-118.339 h2.54
  text "1" at -40.573,-122.276 h1.78
  text "2" at 8.466,-122.276 h1.78
  text "3" at 57.725,-122.276 h1.78
  text "4" at 107.018,-122.276 h1.78
  text "5" at 156.294,-122.276 h1.78
  text "6" at 205.316,-122.276 h1.78
  text "7" at 254.846,-122.276 h1.78
  text "8" at 303.868,-122.276 h1.78
Cartouche BOT (Mec4):
  drawing of 3701 lines, arcs and shapes, not listed
  text "8" at -39.261,153.838 h1.78
  text "7" at 9.761,153.838 h1.78
  text "6" at 59.291,153.838 h1.78
  text "5" at 108.313,153.838 h1.78
  text "4" at 157.589,153.838 h1.78
  text "3" at 206.882,153.838 h1.78
  text "2" at 256.141,153.838 h1.78
  text "1" at 305.18,153.838 h1.78
  text "A" at -61.308,119.853 h1.78
  text "A" at 327.312,119.853 h1.78
  text "B" at -61.308,49.241 h1.78
  text "B" at 327.312,49.241 h1.78
  text "C" at -61.308,-21.371 h1.78
  text "C" at 327.312,-21.371 h1.78
  text "D" at -61.308,-91.475 h1.78
  text "D" at 327.312,-91.475 h1.78
  text "Sheet Size" at -47.973,-97.368 h2.54
  text ".refSC" at -34.003,-99.273 h3.3
  text "Circuit Imprimé pour carte" at 0.604,-99.273 h3.3
  text ".siSheetSize" at -51.466,-100.86 h3.56
  text ".refSC" at -32.733,-103.083 h3.05
  text "Printed Circuit Board for" at -2.888,-103.083 h3.05
  text "Print:" at -49.561,-104.988 h3.05
  text ".Print_Date" at -45.179,-108.798 h3.05
  text "DATE:" at -36.543,-108.798 h3.05
  text ".Printout_Name" at -5.111,-108.798 h2.54
  text "View:" at 0.922,-108.798 h2.54
  text ".refSI" at 26.322,-112.29 h7.62
  text ".Print_Scale" at -36.543,-112.608 h3.05
  text ".Pcb_File_Name_No_Path" at -4.158,-112.925 h2.54
  text "File:" at 0.604,-112.925 h2.54
  text "Ce document est la propriété de Seccom. Il est interdit de" at 0.922,-116.1 h2.54
  text "EDA: Altium Designer" at 26.957,-116.418 h2.54
  text "le reproduire ou de le communiquer sans son autorisation." at 0.922,-118.323 h2.54
  text ".Application_BuildNumber" at 21.115,-118.704 h2.54
  text "build" at 26.957,-118.704 h2.54
  text "8" at -39.261,-123.022 h1.78
  text "7" at 9.761,-123.022 h1.78
  text "6" at 59.291,-123.022 h1.78
  text "5" at 108.313,-123.022 h1.78
  text "4" at 157.589,-123.022 h1.78
  text "3" at 206.882,-123.022 h1.78
  text "2" at 256.141,-123.022 h1.78
  text "1" at 305.18,-123.022 h1.78
Cotes (Mec6):
  circle w0.05: c273.685,77.84 r1.5
  circle w0.05: c-3.175,77.84 r1.5
  circle w0.05: c-3.175,-6.08 r1.5
  circle w0.05: c273.685,-6.08 r1.5
  circle w0.05: c273.685,-2.08 r1
  circle w0.05: c273.685,73.84 r1
  circle w0.05: c-3.175,73.84 r1
  circle w0.05: c-3.175,-2.08 r1
  lines w0.127: 266.065,83.058 269.24,83.058 273.05,79.248 ; 281.178,70.231 279.019,70.231 274.574,73.279 ; 273.05,79.248 272.796,80.01 272.161,79.502 273.05,79.248 ; 274.574,73.279 275.336,73.025 275.082,72.644 274.574,73.279
  lines w0.254: -1.27,2.99 -0.635,3.625 ; -0.635,-23.495 -0.635,3.625 ; 0,2.99 -0.635,3.625
  text "4x3.00" at 259.842,82.423 h2.29
  text "4x2.00" at 281.686,69.85 h2.29
  text "PCB Manufacturer Logo +DateCode here, on Bottom Solder Mask layer" at -22.86,-26.035 h1.52
NonImprimables (Mec7):
  lines w0.1: -0.635,28.88 -0.635,37.93 ; 9.525,28.88 9.525,37.93 ; 19.685,28.88 19.685,37.93 ; 29.845,28.88 29.845,37.93 ; 40.005,28.88 40.005,37.93 ; 52.705,28.88 52.705,37.93 ; 67.945,28.88 67.945,37.93 ; 83.185,28.88 83.185,37.93 ; 98.425,28.845 98.425,37.895 ; 111.125,28.88 111.125,37.93 ; 121.285,28.88 121.285,37.93 ; 131.445,28.88 131.445,37.93 ; 144.145,28.88 144.145,37.93 ; 159.385,28.88 159.385,37.93 ; 172.085,28.88 172.085,37.93 ; 182.245,28.88 182.245,37.93 ; 194.945,28.88 194.945,37.93 ; 210.185,28.88 210.185,37.93 ; 222.885,28.88 222.885,37.93 ; 233.045,28.88 233.045,37.93 ; 245.745,28.88 245.745,37.93 ; 260.985,28.88 260.985,37.93
  lines w0.254: -5.715,35.38 280.225,35.38
  lines w0.5: 14.605,-10.62 14.605,81.38 ; 24.765,-10.62 24.765,81.38 ; 34.925,-10.62 34.925,81.38 ; 45.085,-10.62 45.085,81.38 ; 60.325,-10.62 60.325,81.38 ; 75.565,-10.62 75.565,81.38 ; 90.805,-10.62 90.805,81.38 ; 106.045,-10.62 106.045,81.38 ; 116.205,-10.62 116.205,81.38 ; 126.365,-10.62 126.365,81.38 ; 136.525,-10.62 136.525,81.38 ; 151.765,-10.62 151.765,81.38 ; 167.005,-10.62 167.005,81.38 ; 177.165,-10.62 177.165,81.38 ; 187.325,-10.62 187.325,81.38 ; 202.565,-10.62 202.565,81.38 ; 217.805,-10.62 217.805,81.38 ; 227.965,-10.62 227.965,81.38 ; 238.125,-10.62 238.125,81.38 ; 253.365,-10.62 253.365,81.38 ; 268.605,-10.62 268.605,81.38
  lines w1: 4.445,-8.62 4.445,79.38 ; 271.145,-23.32 271.145,88.44
OUTLINE:
  lines w0.025: 268.229,48.41 cw(c268.229,48.91) 268.229,49.41 276.225,49.41 276.225,80.38 -5.715,80.38 -5.715,-8.62 276.225,-8.62 276.225,48.41 268.229,48.41 ; 268.229,48.41 268.229,48.41
DNI:
  lines w0.127: -5.136,58.571 -3.136,61.873 ; -5.136,61.873 -3.247,58.522 ; 6.802,58.571 8.802,61.873 ; 6.802,61.873 8.691,58.522 ; 75.001,51.967 77.001,55.269 ; 75.001,55.269 76.89,51.918 ; 77.795,51.84 79.795,55.142 ; 77.795,55.142 79.684,51.791
Drill Drawing:
  circle w0.254: c-35.544,-43.311 r0.847
  circle w0.254: c-35.544,-73.791 r0.508
  circle w0.254: c-35.544,-73.791 r0.847
  lines w0.254: -36.391,-78.448 -34.697,-78.448 -34.697,-76.755 -36.391,-76.755 -36.391,-78.448 ; -36.391,-69.135 -34.697,-69.135 -35.544,-70.828 -36.391,-69.135 ; -36.391,-67.018 -35.544,-66.595 -34.697,-67.018 -35.121,-66.171 -34.697,-65.325 -35.544,-65.748 -36.391,-65.325 -35.967,-66.171 -36.391,-67.018 ; -36.391,-62.785 -35.967,-62.785 -35.544,-63.208 -35.121,-62.785 -34.697,-62.785 -35.121,-62.361 -34.697,-61.938 -35.121,-61.938 -35.544,-61.515 -35.967,-61.938 -36.391,-61.938 -35.967,-62.361 -36.391,-62.785 ; -36.391,-58.551 -35.544,-59.398 -34.697,-58.551 -35.544,-57.705 -36.391,-58.551 ; -36.391,-55.165 -35.967,-55.165 -35.544,-55.588 -35.121,-55.165 -34.697,-55.165 -35.121,-54.741 -34.697,-54.318 -35.121,-54.318 -35.544,-53.895 -35.967,-54.318 -36.391,-54.318 -35.967,-54.741 -36.391,-55.165 ; -36.391,-51.355 -35.967,-51.355 -35.967,-51.778 -35.121,-51.778 -35.121,-51.355 -34.697,-51.355 -34.697,-50.508 -35.121,-50.508 -35.121,-50.085 -35.967,-50.085 -35.967,-50.508 -36.391,-50.508 -36.391,-51.355 ; -36.391,-47.968 -36.391,-47.545 -35.967,-47.121 -36.391,-46.698 -36.391,-46.275 -35.967,-46.275 -35.544,-46.698 -35.121,-46.275 -34.697,-46.275 -34.697,-46.698 -35.121,-47.121 -34.697,-47.545 -34.697,-47.968 -35.121,-47.968 -35.544,-47.545 -35.967,-47.968 -36.391,-47.968 ; -36.391,-38.655 -34.697,-38.655 -35.544,-40.348 -36.391,-38.655 ; -36.052,-78.109 -35.036,-78.109 -35.036,-77.093 -36.052,-77.093 -36.052,-78.109 ; -36.052,-54.995 -35.798,-54.995 -35.544,-55.249 -35.29,-54.995 -35.036,-54.995 -35.29,-54.741 -35.036,-54.487 -35.29,-54.487 -35.544,-54.233 -35.798,-54.487 -36.052,-54.487 -35.798,-54.741 -36.052,-54.995 ; -36.052,-38.993 -35.036,-38.993 -35.544,-40.009 -36.052,-38.993
  lines w0.381: -37.91,-79.591 124.555,-79.591 ; -37.91,-37.681 124.555,-37.681 ; -23.917,-83.401 -23.917,-33.871 ; -6.193,-83.401 -6.193,-33.871 ; 27.986,-83.401 27.986,-33.871 ; 40.835,-83.401 40.835,-33.871 ; 59.473,-83.401 59.473,-33.871 ; 88.929,-83.401 88.929,-33.871 ; -37.91,-83.401 124.555,-83.401 124.555,-33.871 -37.91,-33.871 -37.91,-83.401
  text "Symbol" at -35.624,-36.538 h1.83
  text "Hit Count" at -22.774,-36.538 h1.83
  text "Finished Hole Size" at -5.05,-36.538 h1.83
  text "Plated" at 29.129,-36.538 h1.83
  text "Hole Type" at 41.978,-36.538 h1.83
  text "Hole Length" at 60.616,-36.538 h1.83
  text "Routed Path Length" at 90.072,-36.538 h1.83
  text "581" at -22.774,-40.348 h1.52
  text "0.432mm (17.00mil)" at -5.05,-40.348 h1.52
  text "PTH" at 29.129,-40.348 h1.52
  text "Round" at 41.978,-40.348 h1.52
  text "-" at 60.616,-40.348 h1.52
  text "-" at 90.072,-40.348 h1.52
  text "21" at -22.774,-44.158 h1.52
  text "0.800mm (31.50mil)" at -5.05,-44.158 h1.52
  text "PTH" at 29.129,-44.158 h1.52
  text "Round" at 41.978,-44.158 h1.52
  text "-" at 60.616,-44.158 h1.52
  text "-" at 90.072,-44.158 h1.52
  text "4" at -22.774,-47.968 h1.52
  text "1.000mm (39.37mil)" at -5.05,-47.968 h1.52
  text "NPTH" at 29.129,-47.968 h1.52
  text "Round" at 41.978,-47.968 h1.52
  text "-" at 60.616,-47.968 h1.52
  text "-" at 90.072,-47.968 h1.52
  text "88" at -22.774,-51.778 h1.52
  text "1.000mm (39.37mil)" at -5.05,-51.778 h1.52
  text "PTH" at 29.129,-51.778 h1.52
  text "Round" at 41.978,-51.778 h1.52
  text "-" at 60.616,-51.778 h1.52
  text "-" at 90.072,-51.778 h1.52
  text "26" at -22.774,-55.588 h1.52
  text "1.100mm (43.31mil)" at -5.05,-55.588 h1.52
  text "PTH" at 29.129,-55.588 h1.52
  text "Round" at 41.978,-55.588 h1.52
  text "-" at 60.616,-55.588 h1.52
  text "-" at 90.072,-55.588 h1.52
  text "129" at -22.774,-59.398 h1.52
  text "1.300mm (51.18mil)" at -5.05,-59.398 h1.52
  text "PTH" at 29.129,-59.398 h1.52
  text "Round" at 41.978,-59.398 h1.52
  text "-" at 60.616,-59.398 h1.52
  text "-" at 90.072,-59.398 h1.52
  text "4" at -22.774,-63.208 h1.52
  text "1.800mm (70.87mil)" at -5.05,-63.208 h1.52
  text "NPTH" at 29.129,-63.208 h1.52
  text "Slot" at 41.978,-63.208 h1.52
  text "5.000mm (196.85mil)" at 60.616,-63.208 h1.52
  text "3.200mm (125.98mil)" at 90.072,-63.208 h1.52
  text "4" at -22.774,-67.018 h1.52
  text "1.800mm (70.87mil)" at -5.05,-67.018 h1.52
  text "NPTH" at 29.129,-67.018 h1.52
  text "Slot" at 41.978,-67.018 h1.52
  text "6.000mm (236.22mil)" at 60.616,-67.018 h1.52
  text "4.200mm (165.35mil)" at 90.072,-67.018 h1.52
  text "4" at -22.774,-70.828 h1.52
  text "1.800mm (70.87mil)" at -5.05,-70.828 h1.52
  text "NPTH" at 29.129,-70.828 h1.52
  text "Slot" at 41.978,-70.828 h1.52
  text "8.100mm (318.90mil)" at 60.616,-70.828 h1.52
  text "6.300mm (248.03mil)" at 90.072,-70.828 h1.52
  text "4" at -22.774,-74.638 h1.52
  text "2.000mm (78.74mil)" at -5.05,-74.638 h1.52
  text "NPTH" at 29.129,-74.638 h1.52
  text "Round" at 41.978,-74.638 h1.52
  text "-" at 60.616,-74.638 h1.52
  text "-" at 90.072,-74.638 h1.52
  text "4" at -22.774,-78.448 h1.52
  text "3.000mm (118.11mil)" at -5.05,-78.448 h1.52
  text "NPTH" at 29.129,-78.448 h1.52
  text "Round" at 41.978,-78.448 h1.52
  text "-" at 60.616,-78.448 h1.52
  text "-" at 90.072,-78.448 h1.52
  text "869 Total" at -22.774,-82.258 h1.52
  text "Slot definitions :" at -35.624,-85.94 h1.52
  text "Routed Path Length" at -9.393,-85.94 h1.52
  text "= Calculated from tool start centre position to tool end centre position." at 18.615,-85.94 h1.52
  text "Hole Length" at -9.393,-88.48 h1.52
  text "= Routed Path Length + Tool Size = Slot length as defined in the PCB layout" at 8.204,-88.48 h1.52

## Dimensions
273.685,-2.08 to 273.685,73.84 on Cotes (Mec6)
273.685,-6.08 to 273.685,77.84 on Cotes (Mec6)
-3.175,-6.08 to 273.685,-6.08 on Cotes (Mec6)
268.229,48.91 to 273.05,57.15 on Cotes (Mec6)
276.225,49.41 to 276.225,80.38 on Cotes (Mec6)
276.225,48.41 to 276.225,49.41 on Cotes (Mec6)
276.225,-8.62 to 276.225,48.41 on Cotes (Mec6)
-5.715,-8.62 to -5.715,80.38 on Cotes (Mec6)
-5.715,-8.62 to 276.225,-8.62 on Cotes (Mec6)

## Text inside footprints (layer, text, board x,y; h text height)
J3: Top Silk "2" at 119.888,75.46 h1.12; Top Silk "20" at 142.494,75.46 h1.12; Top Silk "1" at 120.269,65.024 h1.12 r90; Top Silk "19" at 142.494,64.665 h1.12; Top Assy "2" at 117.475,71.142 h1.27; Top Assy "1" at 117.475,68.602 h1.27; Top Assy "26" at 152.019,71.142 h1.27; Top Assy "25" at 152.019,68.602 h1.27
J92: Top Silk "1" at 275.42,47.625 h1 r90